# KiCad board yddraig030.kicad_pcb (continued)
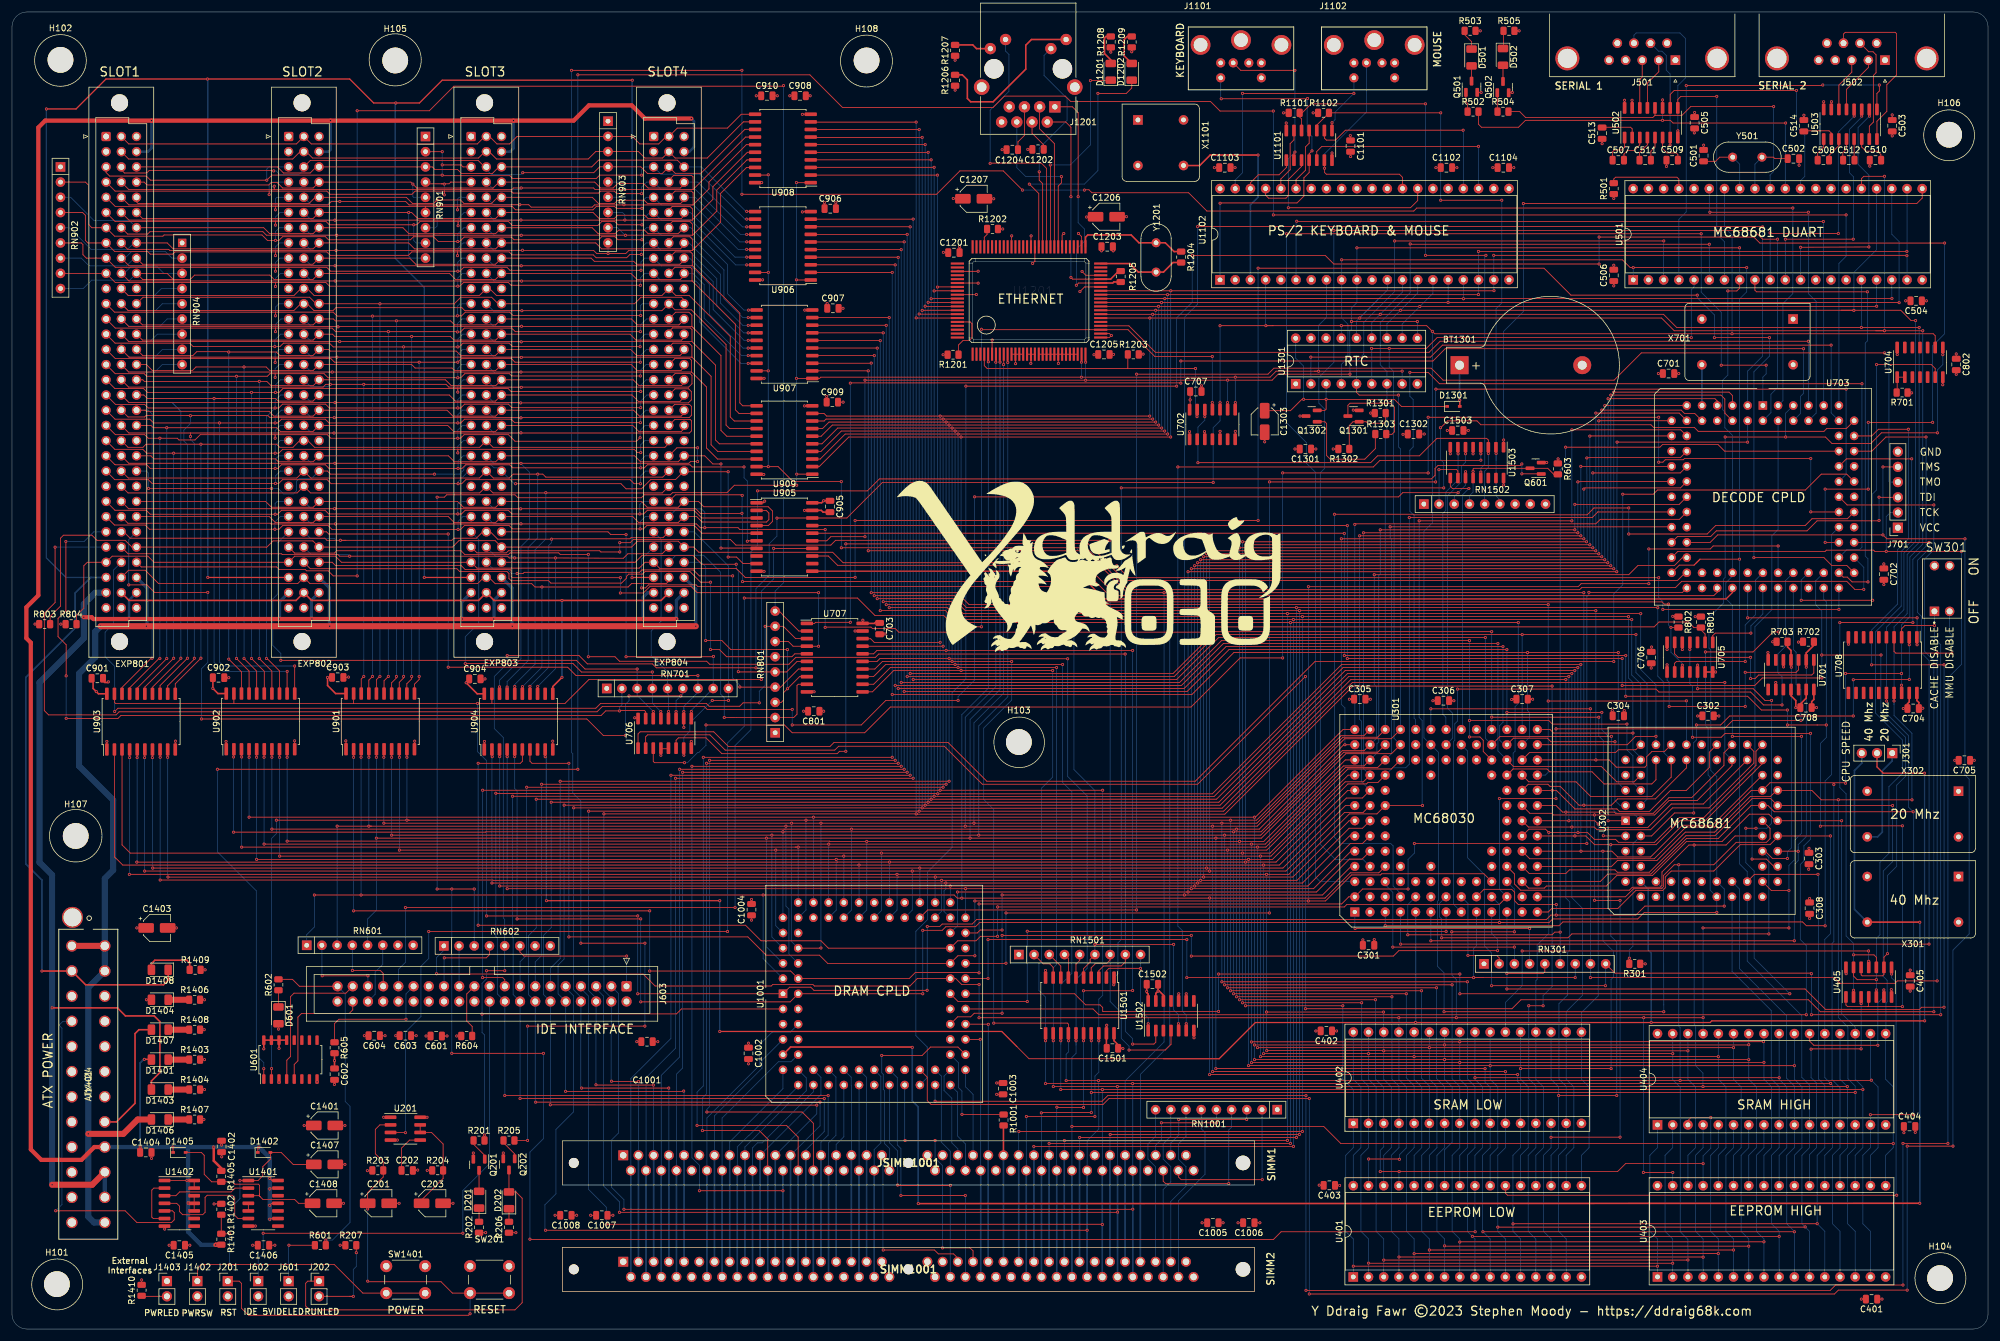
[diagram p0: board, top side]
## Routing (per net, layer and track width the routed paths; a pad name or vN(x,y) marks a point on that pad's centre or on a via; arc(x,y) is an arc through that point) (continued)
/Decode and Logic/~{EXT_PRD13}: length 74.1
  Top w0.127: v1(121.55,107.25) 121.58,107.22 RN801.4 128.37,107.22 128.8,107.65 128.8,107.7 131.34,110.25 U707.7 ; v1(84.35,126.2) 85.35,126.2 85.55,126.4 104.8,126.4 105.2,126.8 108.08,126.8 108.08,126.8 113.8,126.8 114.8,125.8 v1(120.35,125.8)
  Bottom w0.127: v1(120.35,125.8) 120.35,108.75 121.55,107.55 v1(121.55,107.25) ; v1(84.35,126.2) 83.45,126.2 82.8,126.85 80.45,126.85 EXP803.B29
/Decode and Logic/~{EXT_PRD14}: length 53.7
  Top w0.127: v1(118.95,102.15) 120.96,102.14 RN801.2 130.54,102.14 131.1,102.7 131.1,107.5 131.31,107.71 U707.9
  Bottom w0.127: v1(118.95,102.15) 118.95,105.45 118.35,106.05 118.35,126.4 115.5,129.25 110.87,129.25 EXP804.B29
/Decode and Logic/~{INT_ETH}: length 70.6
  Top w0.127: v1(246.55,146.25) U1503.3 246.55,148.5 246.27,148.78 237.97,148.78 235.05,145.86 228.04,145.86 226.9,144.72 v1(198.05,144.72) ; v1(199.2,152.4) 199.2,153.57
  Bottom w0.127: v1(199.2,152.4) 199.2,151.8 198.05,150.65 v1(198.05,144.72) ; RN1502.5 245.94,143.29 246.55,143.9 v1(246.55,146.25)
/Decode and Logic/~{LDS}: length 286.1
  Top w0.127: v1(302.25,108.75) 292.3,108.75 291.05,107.5 v1(268.9,107.5) ; v1(223,134.2) 223,134.2 U905.17 ; v1(313.2,62.7) 312.62,62.12 U405.9 312.62,59.22 312.4,59 308.97,59 308.81,59.16 U405.12 ; v1(312.14,112.59) v1(302.23,112.59) ; v1(223,112) v1(268.9,112)
  Bottom w0.127: v1(268.9,112) v1(268.9,107.5) ; v1(223,134.2) v1(223,112) ; v1(313.2,62.7) 313.2,75.75 314.75,77.3 314.75,90.85 316.2,92.3 316.2,98.85 312.1,102.95 312.1,112.55 v1(312.14,112.59) ; v1(302.25,108.75) 302.25,112.57 v1(302.23,112.59) 302.23,119.95 301.22,120.97 301.22,124.98 U703.52
/Decode and Logic/~{R}/W: length 674.8
  Top w0.127: v1(178.6,161.5) 178.62,161.53 U1201.29 ; v1(71,138.95) 72.2,138.95 72.6,139.35 84,139.35 84.5,138.85 105.1,138.85 105.6,139.35 109.95,139.35 110.3,139.7 119.4,139.7 120.65,140.95 v1(131.05,140.95) ; v1(77.2,73.5) v1(71,73.5) ; v1(204.3,154.75) 204.28,154.73 204.28,153.57 ; 217.55,160 211.1,160 210.1,159 135.08,159 134.86,158.79 U907.1 131.01,158.78 v1(131,158.8) ; 217.55,160 v1(218.2,160) ; 217.55,160 232.15,160 v1(232.16,160.01) ; v1(88.75,46.05) v1(73.45,46.05) ; v1(131,175.25) 131.02,175.23 U906.1 ; U909.1 133.63,142.8 v1(131.05,142.8) ; v1(131,191.5) 131.01,191.49 U908.1 ; v1(244.35,16.25) 211.95,16.25 210.65,14.95 86.55,14.95 v1(86.5,15) ; v1(244.32,41.98) v1(295.12,41.98)
  Bottom w0.127: v1(178.59,159) 178.59,161.49 v1(178.6,161.5) ; v1(86.5,15) 86.5,29.55 88.75,31.8 v1(88.75,46.05) ; U1301.8 v1(232.16,160.01) ; v1(204.3,159) v1(204.3,154.75) ; v1(218.2,160) 218.2,167.65 219.52,168.97 U1102.8 ; v1(73.45,46.05) v1(73.45,73.5) ; v1(131.05,140.95) v1(131.05,142.8) 131,142.85 v1(131,158.8) v1(131,175.25) v1(131,191.5) ; U404.24 v1(295.12,41.98) 295.12,41.72 296.39,40.45 296.39,30.29 295.12,29.02 U403.24 ; RN602.3 v1(77.2,73.5) ; v1(71,138.95) v1(71,73.5) ; U402.24 v1(244.32,41.98) 244.32,41.72 245.59,40.45 245.59,30.29 244.32,29.02 U401.24 244.32,16.28 v1(244.35,16.25)
/Decode and Logic/~{UDS}: length 297
  Top w0.127: v1(269.5,105.7) 289.85,105.7 292.15,103.4 v1(296.5,103.4) ; U905.16 222.47,132.94 v1(222.5,132.9) ; v1(296.5,100.9) 301.47,100.9 301.47,100.9 v1(303,100.9) ; v1(315.7,84.05) 302.05,84.05 v1(302,84) ; 309.85,53.85 310,53.85 310.05,53.9 310.05,55.44 U405.4 ; 309.85,53.85 306.55,53.85 306.27,54.13 U405.1 ; 309.85,53.85 315.69,53.85 v1(315.69,53.86) ; v1(222.5,112.5) v1(269.5,112.5)
  Bottom w0.127: v1(296.5,103.4) v1(296.5,100.9) ; v1(222.5,132.9) v1(222.5,112.5) ; v1(302,84) 302,97.8 303,98.8 v1(303,100.9) 302.99,100.91 302.99,121.48 302.56,121.91 U703.51 ; v1(315.69,53.86) 315.69,84.04 v1(315.7,84.05) ; v1(269.5,112.5) v1(269.5,105.7)
/Decode and Logic/~{VMA}: length 154.8
  Top w0.127: U703.37 284.78,123.08 284.2,122.5 183.3,122.5 178.22,127.58 137.88,127.58 136.32,129.12 U905.13
/DRAM/JTAG_TDI: length 381.8
  Top w0.127: v1(320.75,151.45) v1(310,151.45) ; v1(197.13,179.33) 219.32,179.33 220.75,177.9 v1(265.05,177.9) ; v1(322.75,181.4) 291.9,181.4 290.9,182.4 v1(265.05,182.4) ; v1(302.8,131.4) U703.59 ; v1(159.3,157.5) v1(194.5,157.5) ; v1(302.8,140.3) v1(310,140.3)
  Bottom w0.127: v1(310,151.45) v1(310,140.3) ; v1(265.05,177.9) v1(265.05,182.4) ; v1(194.5,157.5) 194.5,168.9 197.1,171.5 197.1,179.3 v1(197.13,179.33) ; v1(320.75,151.45) 320.75,164.25 322.75,166.25 v1(322.75,181.4) ; v1(159.3,157.5) 159.3,108.59 157,106.29 157,80.45 152.9,76.35 152.9,68.4 150.95,66.45 150.95,49 152.85,47.1 152.85,41.99 U1001.28 ; v1(302.8,140.3) v1(302.8,131.4)
/DRAM/MUX_A0: length 50.3
  Bottom w0.127: JSIMM1001.12 116.05,35.25 124.8,44 124.8,47.45 126.95,49.6 129.98,49.6 U1001.6
  Bottom w0.254: JSIMM1001.12 SIMM1001.12
/DRAM/MUX_A1: length 41.9
  Bottom w0.127: U1001.7 125.25,44.87 125.25,43.55 117.32,35.62 JSIMM1001.13
  Bottom w0.254: SIMM1001.13 JSIMM1001.13
/DRAM/MUX_A2: length 43.6
  Bottom w0.127: JSIMM1001.14 118.59,35.24 128,44.65 130.1,44.65 130.42,44.97 130.43,44.97 U1001.10
  Bottom w0.254: JSIMM1001.14 SIMM1001.14
/DRAM/MUX_A3: length 35.7
  Bottom w0.127: JSIMM1001.15 119.86,31.26 128.76,40.16 U1001.11
  Bottom w0.254: JSIMM1001.15 SIMM1001.15
/DRAM/MUX_A4: length 36.3
  Bottom w0.127: JSIMM1001.16 121.13,30.43 123,32.3 123.05,32.3 131.3,40.55 U1001.12
  Bottom w0.254: JSIMM1001.16 SIMM1001.16
/DRAM/MUX_A5: length 37.4
  Bottom w0.127: JSIMM1001.17 122.4,30.4 129.9,37.9 130.75,37.9 132.64,39.79 132.64,41.96 U1001.13
  Bottom w0.254: SIMM1001.17 JSIMM1001.17
/DRAM/MUX_A6: length 36.7
  Bottom w0.127: U1001.14 133.84,39.64 125.3,31.1 124.5,31.1 123.67,30.27 JSIMM1001.18
  Bottom w0.254: JSIMM1001.18 SIMM1001.18
/DRAM/MUX_A7: length 35.6
  Bottom w0.127: JSIMM1001.28 136.37,31.12 137.6,32.35 137.6,42.08 U1001.17
  Bottom w0.254: SIMM1001.28 JSIMM1001.28
/DRAM/MUX_A8: length 32.6
  Bottom w0.127: JSIMM1001.31 140.18,40.67 140.15,40.7 140.15,42.07 U1001.19
  Bottom w0.254: SIMM1001.31 JSIMM1001.31
/DRAM/MUX_A9: length 32.1
  Bottom w0.127: JSIMM1001.32 141.46,26.49 U1001.20
  Bottom w0.254: SIMM1001.32 JSIMM1001.32
/DRAM/MUX_A10: length 36.8
  Bottom w0.127: JSIMM1001.19 135.1,39.18 135.1,42.04 U1001.15
  Bottom w0.254: SIMM1001.19 JSIMM1001.19
/DRAM/MUX_A11: length 30.1
  Bottom w0.127: JSIMM1001.29 137.64,30.84 138.92,32.12 U1001.18
  Bottom w0.254: JSIMM1001.29 SIMM1001.29
/DRAM/PRDA0: length 26.5
  Bottom w0.127: RN1001.9 190.98,32.19 189.71,30.93 189.71,28.38 190.98,27.12 SIMM1001.67
/DRAM/PRDA1: length 29.5
  Bottom w0.127: RN1001.8 193.52,32.19 192.25,30.93 192.25,28.38 193.52,27.12 193.52,24.57 192.25,23.31 SIMM1001.68
/DRAM/PRDA2: length 27.5
  Bottom w0.127: RN1001.7 196.06,32.19 194.79,30.93 194.79,28.38 196.06,27.12 196.06,23.86 193.52,21.32 SIMM1001.69
/DRAM/PRDA3: length 30
  Bottom w0.127: RN1001.6 198.6,33.47 199.24,32.83 199.24,25.84 194.79,21.4 SIMM1001.70
/DRAM/PRDB0: length 17.2
  Top w0.127: v1(201.15,34.45) v1(191.95,34.45)
  Bottom w0.127: v1(201.15,34.45) 201.14,34.46 RN1001.5 ; v1(191.95,34.45) 191.95,31.65 190.98,30.68 JSIMM1001.67
/DRAM/PRDB1: length 25.4
  Top w0.127: JSIMM1001.68 192.25,24.7 192.65,24.3 v1(203.2,24.3)
  Bottom w0.127: RN1001.4 203.68,33.73 203.2,33.25 v1(203.2,24.3)
/DRAM/PRDB2: length 19.5
  Top w0.127: v1(194.85,35) v1(206.2,35)
  Bottom w0.127: v1(206.2,35) 206.22,35.02 RN1001.3 ; v1(194.85,35) 194.85,32.4 193.52,31.07 JSIMM1001.69
/DRAM/PRDB3: length 27
  Top w0.127: v1(208.8,24.95) 195.25,24.95 194.79,25.41 JSIMM1001.70
  Bottom w0.127: v1(208.8,24.95) 208.76,24.99 RN1001.2
/DRAM/~{CAS_A0}: length 41.4
  Top w0.127: v1(147.9,24.05) 147.95,24 v1(156.7,24)
  Bottom w0.127: SIMM1001.40 156.69,23.99 v1(156.7,24) ; v1(147.9,24.05) 147.9,29.75 146.54,31.11 U1001.24
/DRAM/~{CAS_A1}: length 39.9
  Top w0.127: v1(155.4,13.55) 160,13.55 160.5,13.05 SIMM1001.43 ; v1(149.15,31.5) v1(154.15,31.5)
  Bottom w0.127: v1(155.4,13.55) 155.4,27.3 154.15,28.55 v1(154.15,31.5) ; v1(149.15,31.5) 149.08,31.57 U1001.26
/DRAM/~{CAS_A2}: length 62.2
  Top w0.127: v1(145.25,45.7) 152,45.7 153.4,47.1 157.98,47.1 U1001.35 ; SIMM1001.41 157.96,11.84 157.25,12.55 154.7,12.55 154.05,13.2 v1(145.5,13.2)
  Bottom w0.127: v1(145.25,45.7) 145.25,42.8 145.5,42.55 145.5,40.05 145.72,39.82 145.72,30.97 146.55,30.15 146.55,28.5 145.45,27.4 145.45,13.25 v1(145.5,13.2)
/DRAM/~{CAS_A3}: length 46.2
  Top w0.127: v1(148.45,22.3) v1(159.2,22.3)
  Bottom w0.127: SIMM1001.42 159.23,22.27 v1(159.2,22.3) ; v1(148.45,22.3) 148.45,30.15 147.85,30.75 147.85,41.99 U1001.25
/DRAM/~{CAS_B0}: length 17.9
  Bottom w0.127: JSIMM1001.40 156.69,29.71 155.2,31.2 155.2,42.26 U1001.31
/DRAM/~{CAS_B1}: length 14.8
  Bottom w0.127: U1001.33 159.24,40.46 160.5,39.2 JSIMM1001.43
/DRAM/~{CAS_B2}: length 15.7
  Bottom w0.127: JSIMM1001.41 157.96,30.09 156.95,31.1 156.95,38.55 155.65,39.85 155.65,42.25 U1001.34
/DRAM/~{CAS_B3}: length 15.3
  Bottom w0.127: JSIMM1001.42 159.23,30.92 157.9,32.25 157.9,39.56 U1001.32
/DRAM/~{CS_DRAM}: length 258.9
  Top w0.127: v1(166,61.1) 165.98,61.08 U1001.47 ; v1(210,141.5) v1(237.75,141.5) ; v1(166,69.5) v1(210,69.5) ; v1(237.8,157) v1(306.3,157)
  Bottom w0.127: v1(237.8,157) 237.75,156.95 v1(237.75,141.5) ; U703.67 306.3,142.76 v1(306.3,157) ; v1(210,69.5) v1(210,141.5) ; v1(166,61.1) v1(166,69.5)
/DRAM/~{DSACK0}: length 224.9
  Top w0.127: v1(299.65,52.5) 299.64,52.49 181.51,52.49 180.54,53.46 U1001.41 ; v1(280.65,98.85) 285.45,98.85 286.1,99.5 v1(300.35,99.5) ; v1(280.2,113.5) 280.2,114.69 U705.4
  Bottom w0.127: v1(280.65,98.85) 280.65,107.35 280.2,107.8 v1(280.2,113.5) ; v1(299.65,52.5) 299.65,64.05 298.65,65.05 298.65,77.6 299.25,78.2 299.25,80.7 300.35,81.8 v1(300.35,99.5)
/DRAM/~{DSACK1}: length 222.9
  Top w0.127: v1(281.5,106.95) 290.8,106.95 292.75,105 v1(293.85,105) ; U1001.43 177.45,56 179.3,54.15 181.7,54.15 182.15,53.7 182.15,53.1 182.2,53.05 v1(201.5,53.05) ; v1(289.55,83.65) v1(291.25,83.65) ; v1(281.5,110.9) 281.48,110.88 U705.12 ; v1(201.5,59.3) v1(241.8,59.3) ; v1(241.8,56) v1(296.9,56)
  Bottom w0.127: v1(289.55,83.65) 289.55,77.9 290.95,76.5 290.95,61.95 v1(296.9,56) ; v1(281.5,110.9) v1(281.5,106.95) ; v1(201.5,53.05) v1(201.5,59.3) ; v1(241.8,59.3) v1(241.8,56) ; v1(293.85,105) 293.85,84.45 293.05,83.65 v1(291.25,83.65)
/DRAM/~{RAM_WE}: length 22.8
  Top w0.254: R1001.1 165.58,33.98 JSIMM1001.47
  Bottom w0.254: JSIMM1001.47 SIMM1001.47
/DRAM/~{RAS0}: length 42.2
  Top w0.127: U1001.37 161.68,48.38 v1(161.7,48.4)
  Bottom w0.127: v1(161.7,48.4) 161.77,48.33 JSIMM1001.44
  Bottom w0.254: JSIMM1001.44 SIMM1001.44
/DRAM/~{RAS1}: length 43.5
  Top w0.127: U1001.39 163.03,50.92 v1(163.05,50.9)
  Bottom w0.127: v1(163.05,50.9) 163.04,50.89 JSIMM1001.45
  Bottom w0.254: SIMM1001.45 JSIMM1001.45
/DRAM/~{RAS2}: length 35.5
  Bottom w0.127: U1001.23 145.1,42.2 145.1,31.1 143.99,29.99 JSIMM1001.34
  Bottom w0.254: JSIMM1001.34 SIMM1001.34
/DRAM/~{RAS3}: length 32.6
  Bottom w0.127: JSIMM1001.33 142.72,42.04 U1001.21
  Bottom w0.254: SIMM1001.33 JSIMM1001.33
/Expansion Slots/BA0: length 165.5
  Top w0.127: EXP804.B17 110.74,159.6 113.25,159.6 113.56,159.29 113.56,157.89 113.01,157.34 72.96,157.34 72.5,157.8 v1(58.75,157.8) v1(53.15,157.8) 52.4,157.8 51.94,157.34 19.48,157.34 EXP801.B17 ; U901.18 58.33,108.57 v1(58.75,109)
  Bottom w0.127: v1(53.15,157.8) 52.75,157.4 49.9,157.4 EXP802.B17 ; v1(85.05,157.3) 80.48,157.3 EXP803.B17 ; v1(58.75,109) v1(58.75,157.8)
/Expansion Slots/BA1: length 166.5
  Top w0.127: 44.01,169.86 44,169.85 v1(44,169.25) ; 44.01,169.86 53.64,169.86 54.3,169.2 v1(60.2,169.2) 74.35,169.2 v1(74.4,169.25) 75.1,169.25 75.71,169.86 83.11,169.86 83.68,169.3 v1(105,169.3) ; 44.01,169.86 17.12,169.86 EXP801.A12 ; v1(60.2,109) 59.59,108.4 U901.17
  Bottom w0.127: v1(44,169.25) 44,170.7 44.56,171.26 EXP802.A12 ; EXP803.A12 74.81,171.26 74.4,170.85 v1(74.4,169.25) ; v1(105,169.3) 105,171 105.26,171.26 EXP804.A12 ; v1(60.2,109) v1(60.2,169.2)
/Expansion Slots/BA2: length 159.9
  Top w0.127: EXP804.C12 112.24,171.91 111.8,172.35 105.05,172.35 103.96,171.26 EXP803.C12 81.19,171.26 80.1,172.35 74.95,172.35 73.85,171.25 v1(61.45,171.25) 61.44,171.26 EXP802.C12 50.79,171.26 49.7,172.35 21.89,172.35 EXP801.C12 ; v1(61.45,109) 61.4,109 60.86,108.47 U901.16
  Bottom w0.127: v1(61.45,109) v1(61.45,171.25)
/Expansion Slots/BA3: length 163.5
  Top w0.127: EXP801.A13 17.24,167.2 44,167.2 ; v1(44,166.6) 44,167.19 44,167.2 ; 44,167.2 53.45,167.2 54.05,166.6 v1(62.85,166.6) 74.35,166.6 v1(74.4,166.55) 74.9,166.55 75.55,167.2 83.45,167.2 84.05,166.6 v1(104.95,166.6) ; v1(62.85,109) 62.14,108.28 U901.15
  Bottom w0.127: v1(62.85,109) v1(62.85,166.6) ; v1(74.4,166.55) 74.4,167.95 75.17,168.72 EXP803.A13 ; v1(104.95,166.6) 104.95,167.7 105.97,168.72 EXP804.A13 ; v1(44,166.6) 44,167.8 44.92,168.72 EXP802.A13
/Expansion Slots/BA4: length 156.6
  Top w0.127: U901.14 63.41,107.96 64.2,108.75 v1(64.2,109) ; EXP804.C13 112.24,168.59 111.38,167.73 104.43,167.73 103.44,168.72 EXP803.C13 80.77,167.73 73.92,167.73 73.25,168.4 v1(64.2,168.4) 54,168.4 53.68,168.72 EXP802.C13 50.29,167.73 21.79,167.73 EXP801.C13
  Bottom w0.127: v1(64.2,109) v1(64.2,168.4)
/Expansion Slots/BA5: length 160.8
  Top w0.127: U901.13 64.67,108.03 65.4,108.75 v1(65.4,109) ; v1(104.9,164.1) 83.6,164.1 83.02,164.68 75.32,164.68 74.69,164.05 v1(74.45,164.05) v1(65.4,164.05) 53.65,164.05 53.02,164.68 45.33,164.68 44.75,164.1 v1(43.9,164.1) 30.26,164.1 29.68,164.68 17.22,164.68 EXP801.A14
  Bottom w0.127: EXP804.A14 105.73,166.18 104.9,165.35 v1(104.9,164.1) ; EXP803.A14 75.28,166.18 74.45,165.35 v1(74.45,164.05) ; v1(43.9,164.1) 43.9,165.2 44.88,166.18 EXP802.A14 ; v1(65.4,109) v1(65.4,164.05)
/Expansion Slots/BA6: length 154.2
  Top w0.127: v1(66.75,109) 66.75,108.6 65.94,107.79 U901.12 ; EXP801.C14 21.79,165.19 50.29,165.19 EXP802.C14 53.52,166.18 53.9,165.8 v1(66.75,165.8) 73.2,165.8 73.81,165.19 80.77,165.19 EXP803.C14 103.22,166.18 104.21,165.19 111.84,165.19 112.24,165.59 EXP804.C14
  Bottom w0.127: v1(66.75,109) v1(66.75,165.8)
/Expansion Slots/BA7: length 158.6
  Top w0.127: 44.01,162.09 17.27,162.09 EXP801.A15 ; 44.01,162.09 43.95,162.03 v1(43.95,161.45) ; 44.01,162.09 53.26,162.09 53.85,161.5 v1(68,161.5) v1(74.45,161.5) 75.04,162.09 83.41,162.09 84,161.5 v1(104.95,161.5) ; U901.11 67.22,107.72 68,108.5 v1(68,109)
  Bottom w0.127: v1(68,109) v1(68,161.5) ; EXP804.A15 105.99,163.64 104.95,162.6 v1(104.95,161.5) ; EXP802.A15 44.64,163.64 43.95,162.95 v1(43.95,161.45) ; EXP803.A15 75.29,163.64 74.45,162.8 v1(74.45,161.5)
/Expansion Slots/BA8: length 152.7
  Top w0.127: EXP804.C15 112.24,163.29 111.55,162.6 104.35,162.6 103.31,163.64 EXP803.C15 80.72,162.6 74.95,162.6 74.2,163.35 53.15,163.35 52.86,163.64 EXP802.C15 50.24,162.6 44.75,162.6 44.15,163.2 v1(36.2,163.2) 36.15,163.25 30.85,163.25 30.2,162.6 21.84,162.6 EXP801.C15 ; U902.18 38.33,109.78 v1(36.2,111.9)
  Bottom w0.127: v1(36.2,111.9) v1(36.2,163.2)
/Expansion Slots/BA9: length 157
  Top w0.127: 43.98,159.58 43.07,159.58 42.65,159.15 v1(37.5,159.15) 22.5,159.15 22.08,159.58 17.24,159.58 EXP801.A16 ; 43.98,159.58 52.12,159.58 52.8,158.9 v1(74.45,158.9) 74.95,158.9 75.63,159.58 83.07,159.58 83.45,159.2 v1(104.95,159.2) ; 43.98,159.58 43.95,159.55 v1(43.95,158.95) ; v1(37.5,112) 39.59,109.91 U902.17
  Bottom w0.127: v1(43.95,158.95) 43.95,160.4 44.65,161.1 EXP802.A16 ; EXP803.A16 75.1,161.1 74.45,160.45 v1(74.45,158.9) ; v1(37.5,112) v1(37.5,159.15) ; EXP804.A16 105.9,161.1 104.95,160.15 v1(104.95,159.2)
/Expansion Slots/BA10: length 150.1
  Top w0.127: U902.16 40.86,109.88 v1(38.75,112) ; EXP801.C16 22.45,161.1 23.44,160.11 30.14,160.11 30.73,160.7 v1(38.75,160.7) 42.45,160.7 43.04,160.11 50.29,160.11 EXP802.C16 66.75,161.1 67.33,160.53 73.49,160.53 73.91,160.11 80.77,160.11 EXP803.C16 103.42,161.1 104.41,160.11 111.71,160.11 112.24,160.64 EXP804.C16
  Bottom w0.127: v1(38.75,112) v1(38.75,160.7)
/Expansion Slots/BA11: length 153.5
  Top w0.127: U902.15 42.14,109.87 v1(40,112) ; v1(74.45,156.5) 74.45,157.05 74.41,157.09 ; EXP801.A17 17.19,157.09 21.99,157.09 22.62,156.45 v1(40,156.45) v1(44,156.45) 44.6,156.45 45.24,157.09 74.41,157.09 ; 74.41,157.09 82.86,157.09 83.35,156.6 v1(105,156.6)
  Bottom w0.127: EXP802.A17 44.86,158.56 44,157.7 v1(44,156.45) ; EXP803.A17 75.41,158.56 74.45,157.6 v1(74.45,156.5) ; v1(105,156.6) 105,157.65 105.91,158.56 EXP804.A17 ; v1(40,112) v1(40,156.45)
/Expansion Slots/BA12: length 147.2
  Top w0.127: v1(41.3,112) 43.41,109.9 U902.14 ; EXP801.C17 21.84,158.56 22.1,158.3 v1(41.3,158.3) 42.55,158.3 43.26,157.59 50.31,157.59 EXP802.C17 72.38,158.56 73.34,157.59 80.79,157.59 EXP803.C17 103.74,158.56 104.71,157.59 111.79,157.59 112.24,158.04 EXP804.C17
  Bottom w0.127: v1(41.3,112) v1(41.3,158.3)
/Expansion Slots/BA13: length 152
  Top w0.127: v1(105,153.9) 83.5,153.9 82.91,154.49 75.59,154.49 74.95,153.85 v1(74.45,153.85) 53,153.85 52.36,154.49 45.19,154.49 44.55,153.85 v1(43.95,153.85) 22.75,153.85 22.15,154.45 17.29,154.45 EXP801.A18 ; v1(42.5,112) 42.6,112 44.67,109.93 U902.13
  Bottom w0.127: EXP804.A18 106.02,156.02 105,155 v1(105,153.9) ; v1(42.5,112) 42.5,152.4 v1(43.95,153.85) 43.95,155.1 44.87,156.02 EXP802.A18 ; EXP803.A18 75.22,156.02 74.45,155.25 v1(74.45,153.85)
/Expansion Slots/BA14: length 156
  Top w0.127: EXP804.C18 112.24,155.65 111.55,154.95 104.6,154.95 103.54,156.02 EXP803.C18 80.74,155 74.05,155 73.03,156.02 EXP802.C18 50.26,155 44.45,155 44,155.45 34.85,155.45 ; 34.85,155.45 22.59,155.45 22.02,156.02 EXP801.C18 ; 34.85,155.45 v1(33.75,155.45) ; v1(45.95,109.85) 45.94,109.84 U902.12
  Bottom w0.127: v1(33.75,155.45) 33.75,111.35 35.25,109.85 v1(45.95,109.85)
/Expansion Slots/BA15: length 159.9
  Top w0.127: v1(47.2,110.75) 47.22,110.74 U902.11 ; EXP801.A19 17.22,151.98 23.02,151.98 23.65,151.35 v1(34.65,151.35) v1(43.95,151.35) 44.39,151.35 45.02,151.98 52.32,151.98 52.95,151.35 v1(74.45,151.35) 74.95,151.35 75.58,151.98 83.37,151.98 83.95,151.4 v1(104.95,151.4)
  Bottom w0.127: v1(34.65,151.35) 34.65,111.4 35.3,110.75 v1(47.2,110.75) ; v1(43.95,151.35) 43.95,152.45 44.98,153.48 EXP802.A19 ; v1(104.95,151.4) 104.95,152.55 105.88,153.48 EXP804.A19 ; EXP803.A19 75.23,153.48 74.45,152.7 v1(74.45,151.35)
/Expansion Slots/BA16: length 146
  Top w0.127: U903.18 18.38,107.18 23.25,112.05 v1(23.4,112.05) ; EXP801.C19 22.27,153.48 22.45,153.3 42.93,153.3 43.74,152.49 50.29,152.49 EXP802.C19 72.65,153.48 73.64,152.49 80.77,152.49 EXP803.C19 103.8,153.48 104.79,152.49 111.74,152.49 112.24,152.99 EXP804.C19
  Bottom w0.127: EXP801.C19 22.77,153.48 23.4,152.85 v1(23.4,112.05)
/Expansion Slots/BA17: length 148.8
  Top w0.127: 43.89,149.39 43.95,149.33 v1(43.95,148.8) ; 43.89,149.39 52.66,149.39 53.25,148.8 v1(74.45,148.8) 74.92,148.8 75.51,149.39 82.91,149.39 84,148.3 104.3,148.3 v1(104.9,148.9) ; 43.89,149.39 31.44,149.39 30.56,148.51 27.89,148.51 27.6,148.8 v1(24.7,148.8) 22.75,148.8 22.16,149.39 17.27,149.39 EXP801.A20 ; U903.17 19.65,107.1 24.55,112 v1(24.7,112)
  Bottom w0.127: v1(104.9,148.9) 104.9,150.1 105.75,150.95 107.15,150.95 EXP804.A20 ; v1(24.7,112) v1(24.7,148.8) ; EXP803.A20 75.24,150.94 74.45,150.15 v1(74.45,148.8) ; v1(43.95,148.8) 43.95,150.1 44.79,150.94 EXP802.A20
/Expansion Slots/BA18: length 140.8
  Top w0.127: EXP804.C20 112.24,150.39 111.78,149.92 104.68,149.92 103.66,150.94 EXP803.C20 80.74,149.92 73.77,149.92 72.76,150.94 EXP802.C20 50.26,149.92 44.83,149.92 44.2,150.55 v1(25.85,150.55) 23.6,150.55 23.21,150.94 EXP801.C20 ; v1(25.85,112) 20.92,107.07 U903.16
  Bottom w0.127: v1(25.85,112) v1(25.85,150.55)
/Expansion Slots/BA19: length 144.8
  Top w0.127: v1(74.45,146.35) 74.45,146.9 74.5,146.95 ; U903.15 22.19,107.24 v1(27,112.05) ; v1(105,146.4) 104.45,146.4 103.9,146.95 74.5,146.95 ; 74.5,146.95 45.2,146.95 44.55,146.3 v1(43.95,146.3) v1(27,146.3) 22.5,146.3 21.85,146.95 17.17,146.95 EXP801.A21
  Bottom w0.127: EXP802.A21 44.8,148.4 43.95,147.55 v1(43.95,146.3) ; v1(105,146.4) 105,147.7 105.7,148.4 EXP804.A21 ; EXP803.A21 75.4,148.4 74.45,147.45 v1(74.45,146.35) ; v1(27,112.05) v1(27,146.3)
/Expansion Slots/BA20: length 175.8
  Top w0.127: EXP801.B18 19.53,154.75 v1(53.95,154.75) 84.95,154.75 85,154.7 112.95,154.7 113.45,155.2 113.45,156.6 113,157.05 110.73,157.05 EXP804.B18 ; v1(28.2,112.05) 28.2,111.95 23.46,107.21 U903.14
  Bottom w0.127: v1(53.95,154.75) 50.01,154.75 EXP802.B18 ; EXP801.B18 19.53,154.75 26.75,154.75 ; EXP803.B18 80.54,154.7 v1(84.95,154.7) ; 26.75,154.75 28.05,153.45 ; 26.75,154.75 28.2,153.3 v1(28.2,112.05)
/Expansion Slots/BA21: length 163.5
  Top w0.127: EXP804.B19 110.67,154.45 113.15,154.45 113.5,154.1 113.5,152.65 113.09,152.24 v1(53.81,152.24) 43.09,152.24 42.72,152.6 29.2,152.6 ; EXP801.B19 19.39,152.35 22.15,152.35 22.4,152.6 29.2,152.6 ; v1(29.8,152.55) 29.75,152.6 29.2,152.6 ; v1(29.3,112.05) 24.73,107.48 U903.13
  Bottom w0.127: v1(29.3,112.05) 29.3,147.75 28.7,148.35 28.7,150.15 29.8,151.25 v1(29.8,152.55) ; EXP802.B19 49.97,152.25 53.8,152.25 v1(53.81,152.24) ; v1(85,152.2) 80.5,152.2 EXP803.B19
/Expansion Slots/BA22: length 159.5
  Top w0.127: 29.78,149.67 v1(53.78,149.67) 85.03,149.67 ; 29.78,149.67 19.53,149.67 EXP801.B20 ; 29.78,149.67 29.8,149.65 v1(29.8,149.1) ; v1(30.45,112.05) 30.45,111.9 26,107.45 U903.12 ; 85.03,149.67 113.13,149.67 113.5,150.04 113.5,151.7 113.25,151.95 110.71,151.95 EXP804.B20 ; 85.03,149.67 v1(85,149.7)
  Bottom w0.127: v1(29.8,149.1) 29.8,148.6 30.45,147.95 v1(30.45,112.05) ; v1(53.78,149.67) 50.01,149.67 EXP802.B20 ; v1(85,149.7) 80.46,149.7 EXP803.B20
/Expansion Slots/BA23: length 138.4
  Top w0.127: EXP804.B21 109.7,147.95 109.03,147.28 80.34,147.28 EXP803.B21 78.1,147.28 50.52,147.28 49.4,148.4 EXP802.B21 48.05,148.4 46.93,147.28 44.72,147.28 44.2,147.8 v1(31.55,147.8) 22.39,147.8 21.87,147.28 19.38,147.28 EXP801.B21 ; v1(31.55,112.05) 27.27,107.77 U903.11
  Bottom w0.127: v1(31.55,112.05) v1(31.55,147.8)
/Expansion Slots/BA24: length 157.7
  Top w0.127: v1(114.5,147.2) 111.04,147.2 EXP804.B22 ; U904.18 v1(81.42,107.27) ; EXP801.B22 19.5,144.62 v1(53.93,144.62) 113.03,144.62 113.32,144.9 v1(114.5,144.9)
  Bottom w0.127: v1(53.93,144.62) 49.98,144.62 EXP802.B22 ; v1(81.42,107.27) 81.42,108.37 85,111.95 85,130.7 86.45,132.15 86.45,143.1 85,144.55 v1(85,144.6) 80.48,144.6 EXP803.B22 ; v1(114.5,147.2) v1(114.5,144.9)
/Expansion Slots/BA25: length 133.6
  Top w0.127: U904.17 v1(82.69,107.24) ; EXP801.B23 19.43,142.15 47.57,142.15 EXP802.B23 49.91,142.15 78.05,142.15 EXP803.B23 80.39,142.15 83.05,142.15 83.7,142.8 v1(87.8,142.8) 88.65,142.8 89.15,142.3 108.68,142.3 EXP804.B23
  Bottom w0.127: v1(87.8,142.8) 87.8,132.15 86.2,130.55 86.2,111.65 82.69,108.14 v1(82.69,107.24)
/Expansion Slots/BA26: length 130
  Top w0.127: v1(89.15,139.7) 89.11,139.66 ; 89.11,139.66 80.34,139.66 EXP803.B24 78.1,139.66 49.86,139.66 EXP802.B24 47.62,139.66 19.38,139.66 EXP801.B24 ; 89.11,139.66 108.58,139.66 EXP804.B24 ; U904.16 v1(83.96,107.34)
  Bottom w0.127: v1(89.15,139.7) 89.15,131.95 87.35,130.15 87.35,111.05 83.96,107.66 v1(83.96,107.34)
/Expansion Slots/BCLK10: length 127.9
  Top w0.127: v1(70.55,142.8) 53.19,142.8 52.67,143.32 EXP802.C23 ; v1(119.6,143.2) 112.36,143.2 EXP804.C23 110.82,141.9 106.68,141.9 105.12,140.35 102.55,140.35 101.7,141.2 v1(84.1,141.2) ; v1(119.6,128.95) 121,128.95 122.09,127.86 124.35,127.86 ; v1(43.35,140.4) v1(22.81,140.4)
  Bottom w0.127: v1(119.6,128.95) v1(119.6,143.2) ; v1(22.81,140.4) 22.8,140.41 22.8,142.95 22.43,143.32 EXP801.C23 ; v1(70.55,142.8) 74.75,142.8 75.45,143.5 75.45,143.9 75.95,144.4 79.95,144.4 80.5,143.85 81.23,143.85 EXP803.C23 83.88,141.2 v1(84.1,141.2) ; v1(43.35,140.4) 44.45,140.4 45.35,139.5 47,139.5 47.5,140 47.5,141.6 47.95,142.05 50.01,142.05 EXP802.C23
/Expansion Slots/BCPUCLK: length 110.9
  Top w0.254: U904.11 90.31,107.31 v1(91.85,108.85) ; EXP804.B31 108.4,121.7 v1(91.85,121.7) 80.52,121.7 EXP803.B31 77.92,121.7 50.04,121.7 EXP802.B31 47.44,121.7 19.56,121.7 EXP801.B31
  Bottom w0.254: v1(91.85,108.85) v1(91.85,121.7)
/Expansion Slots/BD0: length 132.7
  Top w0.127: RN901.2 v1(71.86,196.66) ; v1(71.85,194.45) 75,194.45 75.33,194.12 EXP803.A3 ; 124.1,185.39 124.09,185.4 v1(122.7,185.4) ; v1(105.15,192.75) 98.15,192.75 97.6,192.2 83.6,192.2 83.15,192.65 71.95,192.65 v1(71.85,192.75) 43.4,192.75 v1(42.55,191.9) 23.13,191.9 22.44,192.59 16.31,192.59 15.72,193.18 EXP801.A3
  Bottom w0.127: v1(105.15,192.75) 105.15,193.65 105.62,194.12 EXP804.A3 108.38,192.9 114.9,192.9 122.4,185.4 v1(122.7,185.4) ; v1(71.85,192.75) v1(71.85,194.45) 71.85,196.65 v1(71.86,196.66) ; v1(42.55,191.9) 42.55,193.75 42.92,194.12 EXP802.A3
/Expansion Slots/BD1: length 109.1
  Top w0.127: U906.11 124.06,186.7 v1(122.7,186.7) ; EXP804.C3 111.11,195.25 97.95,195.25 96.82,194.12 EXP803.C3 81.32,194.12 80.2,193 75.1,193 74.4,193.7 70.6,193.7 70.18,194.12 RN901.3 EXP802.C3 50.82,194.12 49.8,193.1 45.35,193.1 44.33,194.12 EXP801.C3
  Bottom w0.127: v1(122.7,186.7) 122.55,186.7 115.13,194.12 EXP804.C3
/Expansion Slots/BD2: length 131.5
  Top w0.127: U906.14 124.09,182.85 v1(122.7,182.85) ; v1(72.2,189.45) 72.2,190.05 72.23,190.08 ; 72.23,190.08 83.37,190.08 83.7,189.75 97.99,189.75 98.32,190.08 100.58,190.08 101.01,189.65 v1(105.15,189.65) ; 72.23,190.08 67.33,190.08 66.8,189.55 53.1,189.55 52.57,190.08 17.22,190.08 EXP801.A4 ; 71.7,191.3 73,191.3 73.3,191.6 73.32,191.58 EXP803.A4 ; 71.7,191.3 69.34,191.3 RN901.4 ; 71.7,191.3 72.15,191.3 v1(72.2,191.25) ; v1(42.95,189.5) 42.95,190.08